# Altium PCB CH565W-R0.PcbDoc (part 2 of 5)
Units mil, origin at the board's own origin, x right, y up, seen from the top; angles counter-clockwise.
Board outline 3947.04 x 3947.04 mil, 4 copper layers (Top Layer, Layer 1, Layer 2, Bottom Layer), stack 23.756 mil thick; 204 components, 168 nets, 932 pads, 1005 vias.
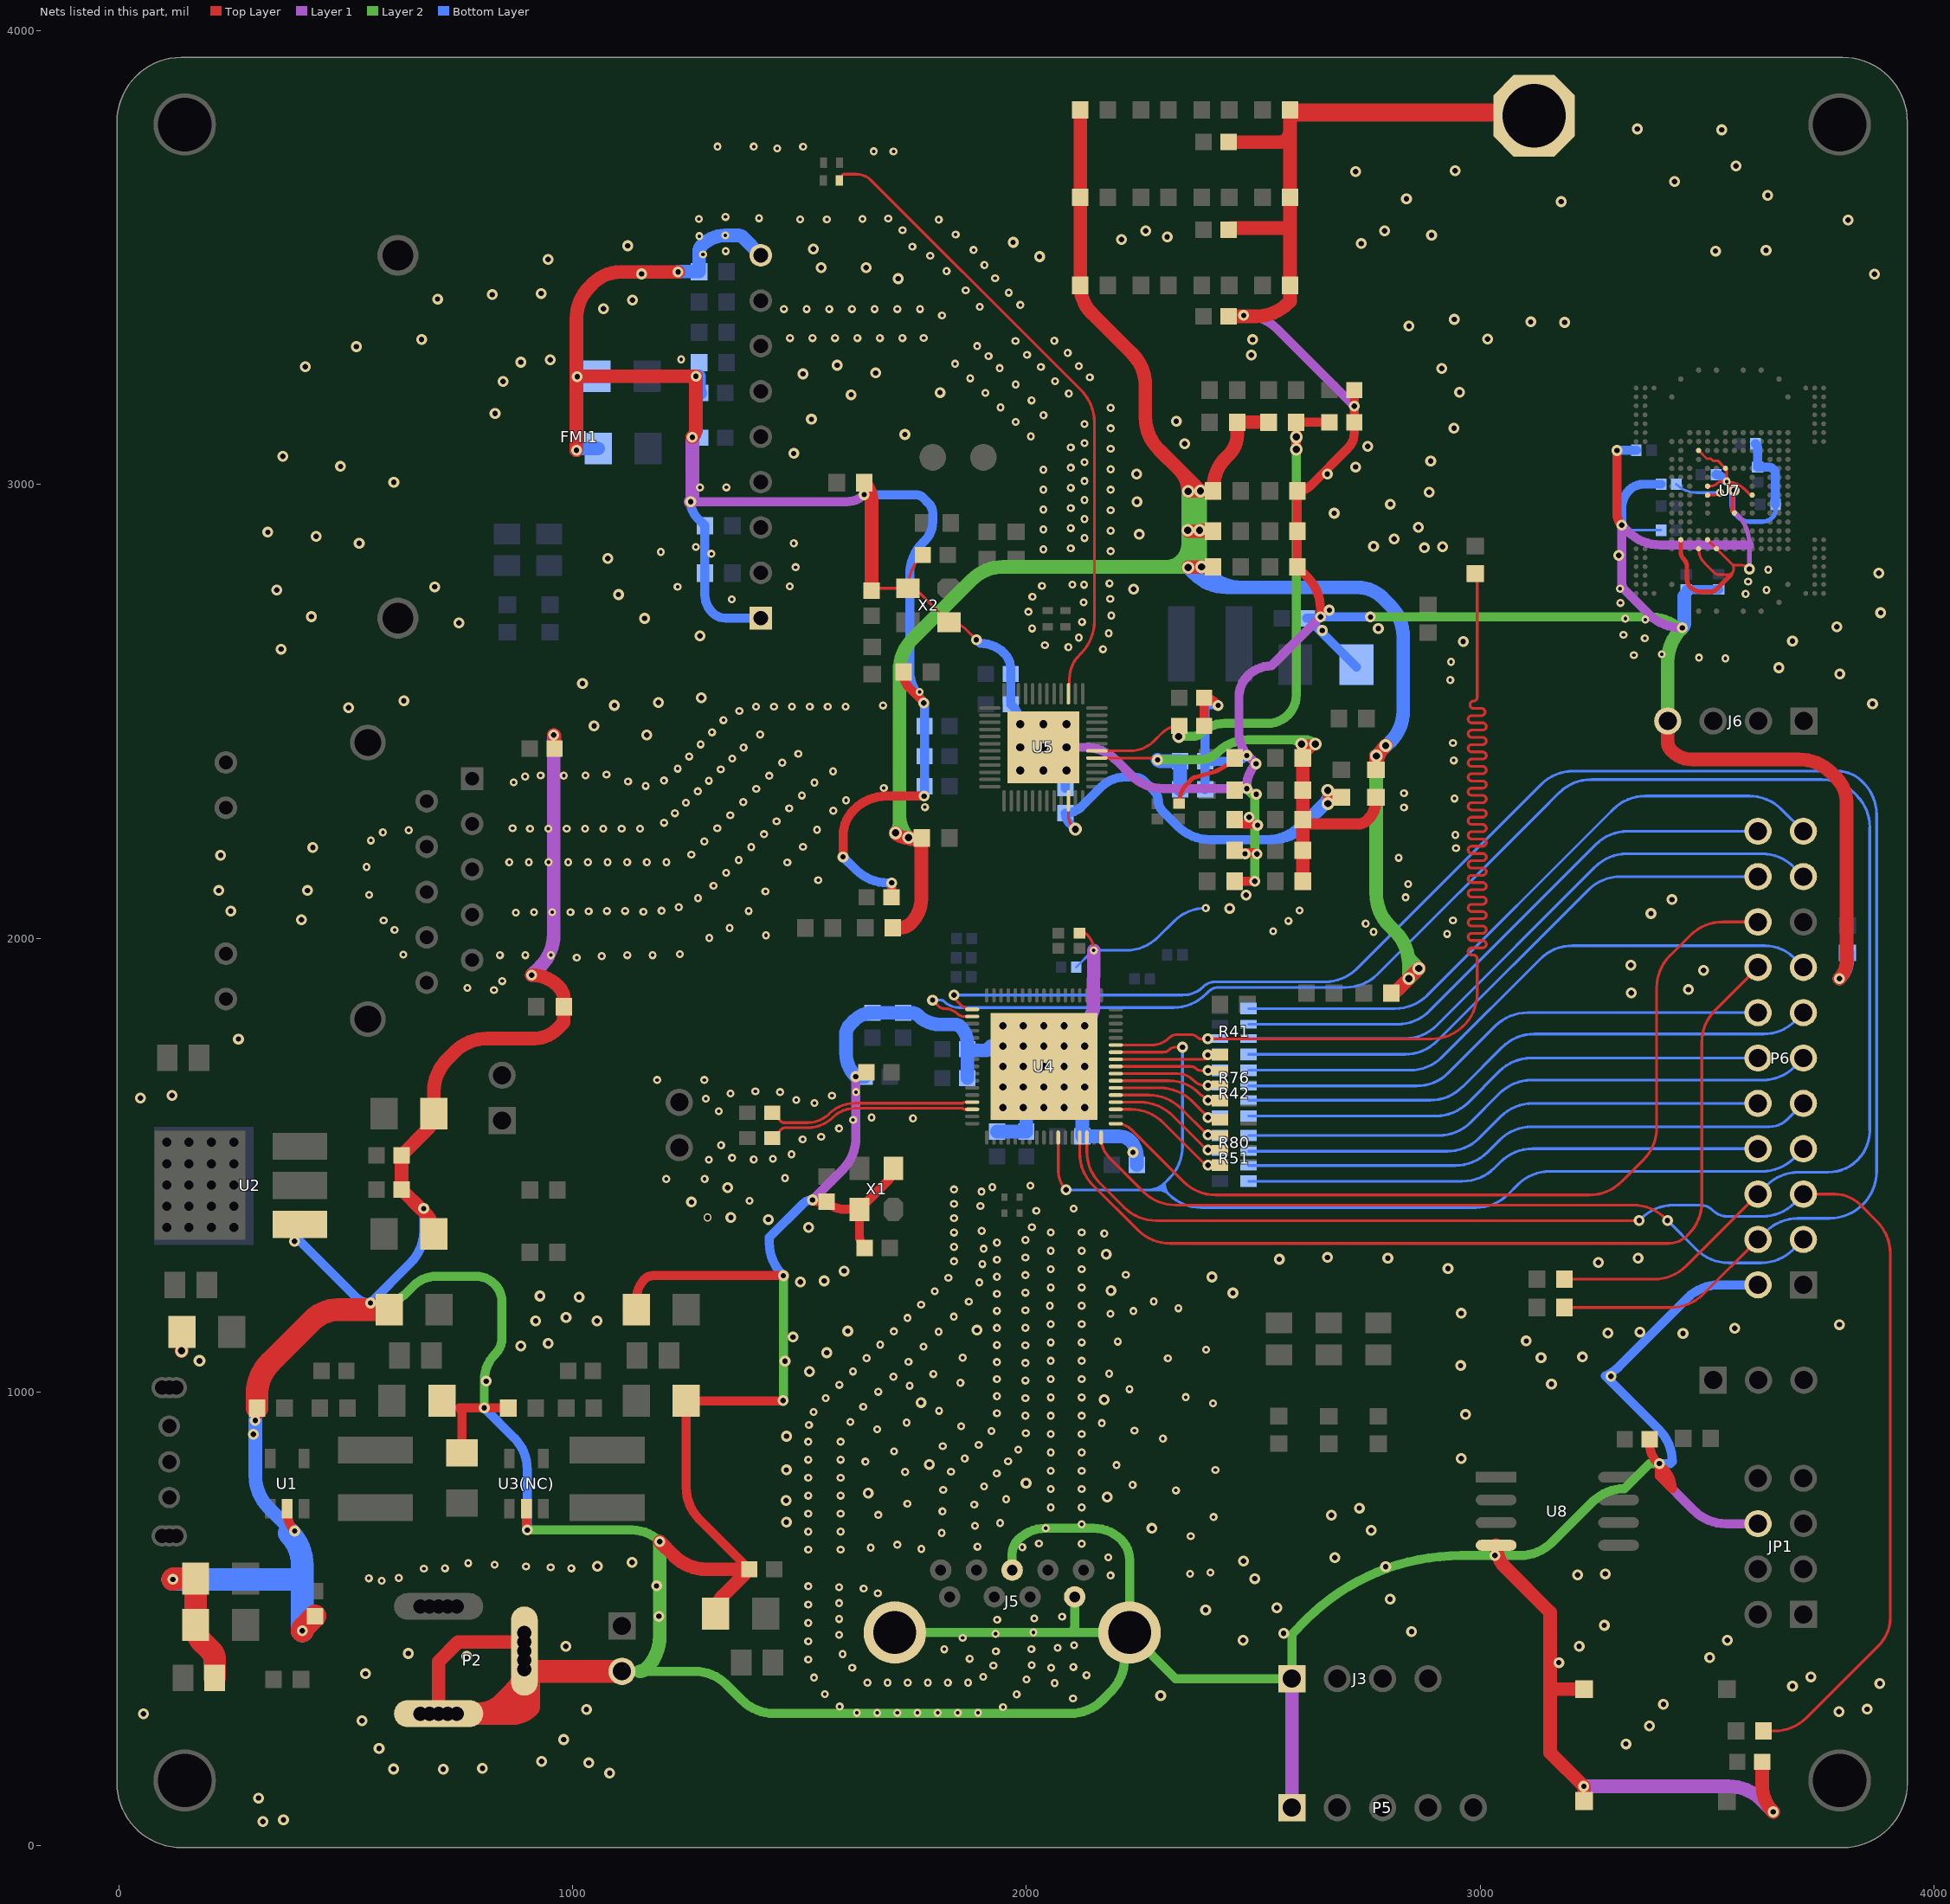
[diagram p4: the nets of this part, all layers, seen from the top]

## Via types
v1: diameter 17.72, hole 7.87, Top Layer to Bottom Layer, 556 vias
v2: diameter 24, hole 12, Top Layer to Bottom Layer, 366 vias
v3: diameter 28, hole 16, Top Layer to Bottom Layer, 63 vias
v4: diameter 17.72, hole 7.87, Top Layer to Bottom Layer, tented both sides, 8 vias
v5: diameter 24, hole 12, Top Layer to Bottom Layer, tented both sides, 5 vias
v6: diameter 26, hole 14, Top Layer to Bottom Layer, 2 vias
v7: diameter 19.68, hole 10, Top Layer to Bottom Layer, 1 vias
v8: diameter 20, hole 10, Top Layer to Bottom Layer, 1 vias
v9: diameter 28, hole 16, Top Layer to Bottom Layer, tented both sides, 1 vias
v10: diameter 32, hole 18, Top Layer to Bottom Layer, 1 vias
v11: diameter 17.72, hole 12, Top Layer to Bottom Layer, 1 vias

## Nets (pads, with @x,y where several pads share a name; then routed paths per layer and width w, separated by ;. In a path a pad name is that pad's centre, name@x,y a point inside that pad or via, vN(x,y) a via of type N, cw(c..) or ccw(c..) an arc to the next point about the centre after c; other vN are vias at no path point) (continued)
CMD_1: R41.6 R77.2 U4.29 | length 2954.6
  Top Layer w6: U4.29@2196.78,1764.37 2275.73,1764.37 ccw(c2275.73,1820.59) 2315.48,1780.83 ; 2315.5,1780.85 cw(c2331.46,1764.86) 2331.46,1787.45 2361.83,1787.45 cw(c2361.83,1765.31) 2377.49,1780.97 ccw(c2384.42,1787.9) 2384.42,1778.09 v2(2399.74,1778.09) 2893.6,1778.09 ccw(c2893.6,1878.09) 2993.6,1878.09 2993.6,1951.69 2993.6,1954.69 ccw(c2985.6,1954.69) 2985.6,1962.69 2981.6,1962.69 cw(c2981.6,1970.69) 2981.6,1978.69 3005.6,1978.69 ccw(c3005.6,1986.69) 3005.6,1994.69 2981.6,1994.69 cw(c2981.6,2002.69) 2981.6,2010.69 3005.6,2010.69 ccw(c3005.6,2018.69) 3005.6,2026.69 2981.6,2026.69 cw(c2981.6,2034.69) 2981.6,2042.69 3005.6,2042.69 ccw(c3005.6,2050.69) 3005.6,2058.69 2981.6,2058.69 cw(c2981.6,2066.69) 2981.6,2074.69 3005.6,2074.69 ccw(c3005.6,2082.69) 3005.6,2090.69 2981.6,2090.69 cw(c2981.6,2098.69) 2981.6,2106.69 3005.6,2106.69 ccw(c3005.6,2114.69) 3005.6,2122.69 2981.6,2122.69 cw(c2981.6,2130.69) 2981.6,2138.69 3005.6,2138.69 ccw(c3005.6,2146.69) 3005.6,2154.69 2981.6,2154.69 cw(c2981.6,2162.69) 2981.6,2170.69 3005.6,2170.69 ccw(c3005.6,2178.69) 3005.6,2186.69 2981.6,2186.69 cw(c2981.6,2194.69) 2981.6,2202.69 3005.6,2202.69 ccw(c3005.6,2210.69) 3005.6,2218.69 2981.6,2218.69 cw(c2981.6,2226.69) 2981.6,2234.69 3005.6,2234.69 ccw(c3005.6,2242.69) 3005.6,2250.69 2981.6,2250.69 cw(c2981.6,2258.69) 2981.6,2266.69 3005.6,2266.69 ccw(c3005.6,2274.69) 3005.6,2282.69 2981.6,2282.69 cw(c2981.6,2290.69) 2981.6,2298.69 3005.6,2298.69 ccw(c3005.6,2306.69) 3005.6,2314.69 2981.6,2314.69 cw(c2981.6,2322.69) 2981.6,2330.69 3005.6,2330.69 ccw(c3005.6,2338.69) 3005.6,2346.69 2981.6,2346.69 cw(c2981.6,2354.69) 2981.6,2362.69 3005.6,2362.69 ccw(c3005.6,2370.69) 3005.6,2378.69 2981.6,2378.69 cw(c2981.6,2386.69) 2981.6,2394.69 3005.6,2394.69 ccw(c3005.6,2402.69) 3005.6,2410.69 2981.6,2410.69 cw(c2981.6,2418.69) 2981.6,2426.69 3005.6,2426.69 ccw(c3005.6,2434.69) 3005.6,2442.69 2981.6,2442.69 cw(c2981.6,2450.69) 2981.6,2458.69 3005.6,2458.69 ccw(c3005.6,2466.69) 3005.6,2474.69 2981.6,2474.69 cw(c2981.6,2482.69) 2981.6,2490.69 3003,2490.69 ccw(c3003,2498.69) 3003,2506.69 2985.6,2506.69 cw(c2985.6,2514.69) 2985.6,2522.69 ccw(c2985.6,2530.69) 2993.6,2530.69 2993.6,2583.84 R77.2@2993.6,2803.67
  Bottom Layer w6: v2(2399.74,1778.09) cw(c2400.92,1776.92) 2400.92,1778.58 R41.6@2426.52,1778.58
CMD_2: R79.1 U7.R5 | length 130.2
  Top Layer w6: U7.R5@3501.47,2976.74 3515.72,2976.74 ccw(c3515.72,2995.22) v4(3528.79,2982.15)
  Bottom Layer w6: R79.1@3432.34,3000.83 ccw(c3477.44,3045.93) 3477.44,2982.15 v4(3528.79,2982.15)
DATA0: R41.5 R76.1 U4.27 | length 235.5
  Top Layer w6: U4.27@2196.78,1732.87 2390.04,1732.87 ccw(c2390.04,1742.61) v2(2399.78,1742.61) 2426.52,1742.61 R76.1@2426.52,1742.82
DATA1: R42.4 R76.2 U4.26 | length 205.7
  Top Layer w6: U4.26@2196.78,1717.12 2362.17,1717.12 cw(c2362.17,1699.04) 2374.96,1711.83 ccw(c2383.66,1720.52) 2383.66,1708.22 v2(2400.13,1708.22)
DATA2: R42.3 R76.3 U4.25 | length 210.8
  Top Layer w6: U4.25@2196.78,1701.37 2333.33,1701.37 cw(c2333.33,1653.71) 2367.03,1687.41 2367.21,1687.24 ccw(c2400.13,1720.16) v2@2400.13,1673.6
  other v2: 2400.13,1675.6
DATA3: R42.2 R76.4 U4.24 | length 241.4
  Top Layer w6: U4.24@2196.78,1685.63 2314.57,1685.63 cw(c2314.57,1592.62) 2380.34,1658.38 ccw(c2419.81,1697.85) 2419.81,1642.03 R76.4@2426.52,1642.03
  other v2: 2400.13,1642.97
DATA4: R42.1 R80.1 U4.23 | length 252.2
  Top Layer w6: U4.23@2196.78,1669.88 2294.3,1669.88 cw(c2294.3,1569.88) 2365.01,1640.59 2390.65,1614.95 ccw(c2426.52,1650.83) R80.1@2426.52,1600.1
  other v2: 2400.13,1604.35
DATA5: R51.4 R80.2 U4.22 | length 234.4
  Top Layer w6: U4.22@2196.78,1654.13 2269.88,1654.13 cw(c2269.88,1554.13) 2340.59,1624.84 v2@2399.07,1566.36
  other v2: 2400.13,1566.73
DATA6: R51.3 R80.3 U4.21 | length 267.4
  Top Layer w6: U4.21@2196.78,1638.38 2250.8,1638.38 cw(c2250.8,1538.38) 2321.51,1609.09 2387.57,1543.03 ccw(c2409.48,1564.94) 2409.48,1533.95 R80.3@2426.52,1533.95
  other v2: 2400.13,1533.1
DATA7: R51.2 R80.4 U4.20 | length 275.9
  Top Layer w6: U4.20@2196.78,1622.63 2230.76,1622.63 cw(c2230.76,1522.63) 2301.47,1593.34 2391.19,1503.62 ccw(c2399.07,1511.5) 2399.07,1500.36 ccw(c2401.61,1502.89) 2401.61,1499.31 R80.4@2426.52,1499.31
  other v2: 2400.13,1499.48
DP_CLK: P6.16 U4.14 | length 2123.8
  Top Layer w6.07: U4.14@2117.33,1560.34 2117.33,1526.1 ccw(c2217.33,1526.1) 2146.62,1455.39 2245.57,1356.45 ccw(c2316.28,1427.16) 2316.28,1327.16 3415.48,1327.16 ccw(c3415.48,1385.38) 3456.65,1344.21 3459.6,1347.16 ccw(c3389.29,1417.47) 3488.72,1417.47 3488.72,1770.43 cw(c3588.72,1770.43) 3518.01,1841.14 P6.16@3612.66,1935.79
DP_D0: P6.8 R51.8 | length 1144.2
  Bottom Layer w6.07: R51.8@2489.51,1464.19 2960.97,1464.19 ccw(c2960.97,1564.19) 3031.68,1493.48 3044.7,1506.5 cw(c3115.41,1435.79) 3115.41,1535.79 P6.8@3612.66,1535.79
DP_D1: P6.9 R51.7 | length 1268.8
  Bottom Layer w6.07: R51.7@2489.51,1498.84 2945.61,1498.84 ccw(c2945.61,1598.84) 3016.32,1528.13 3043.18,1554.99 cw(c3113.89,1484.28) 3113.89,1584.28 3637.83,1584.28 ccw(c3637.83,1640.61) 3677.65,1600.78 P6.9@3712.66,1635.79
DP_D2: P6.10 R51.6 | length 1158.2
  Bottom Layer w6.07: R51.6@2489.51,1530.33 2927.82,1530.33 ccw(c2927.82,1630.33) 2998.53,1559.62 3045.4,1606.5 cw(c3116.12,1535.79) 3116.12,1635.79 P6.10@3612.66,1635.79
DP_D3: P6.11 R51.5 | length 1281
  Bottom Layer w6.07: R51.5@2489.51,1564.98 2908.65,1564.98 ccw(c2908.65,1664.98) 2979.36,1594.27 3042.87,1657.78 cw(c3113.58,1587.06) 3113.58,1687.06 3622.52,1687.06 ccw(c3622.52,1787.06) 3693.23,1716.35 P6.11@3712.66,1735.79
DP_D4: P6.12 R42.8 | length 1167.5
  Bottom Layer w6.07: R42.8@2489.51,1608.03 2902.69,1608.03 ccw(c2902.69,1708.03) 2973.4,1637.32 3042.58,1706.5 cw(c3113.29,1635.79) 3113.29,1735.79 P6.12@3612.66,1735.79
DP_D5: P6.13 R42.7 | length 1290.4
  Bottom Layer w6.07: R42.7@2489.51,1642.68 2890.2,1642.68 ccw(c2890.2,1742.68) 2960.91,1671.96 3048.37,1759.43 cw(c3119.08,1688.71) 3119.08,1788.71 3625.78,1788.71 ccw(c3625.78,1884.82) 3693.74,1816.86 P6.13@3712.66,1835.79
DP_D6: P6.14 R42.6 | length 1181.5
  Bottom Layer w6.07: R42.6@2489.51,1674.17 2860.13,1674.17 ccw(c2860.13,1774.17) 2930.84,1703.46 3033.87,1806.5 cw(c3104.58,1735.79) 3104.58,1835.79 P6.14@3612.66,1835.79
DP_D7: P6.15 R42.5 | length 1344.2
  Bottom Layer w6.07: R42.5@2489.51,1708.82 2845.71,1708.82 ccw(c2845.71,1808.82) 2916.42,1738.11 3132.47,1954.16 cw(c3203.18,1883.45) 3203.18,1983.45 3628.41,1983.45 cw(c3628.41,1895.11) 3690.88,1957.57 P6.15@3712.66,1935.79
DP_D8: P6.20 R41.4 | length 1276.9
  Bottom Layer w6.07: R41.4@2489.51,1743.93 2834.65,1743.93 ccw(c2834.65,1843.93) 2905.36,1773.22 3238.64,2106.5 cw(c3309.35,2035.79) 3309.35,2135.79 P6.20@3612.66,2135.79
DP_D9: P6.19 R41.3 | length 1400
  Bottom Layer w6.07: R41.3@2489.51,1778.58 2833.7,1778.58 ccw(c2833.7,1878.58) 2904.41,1807.87 3253.47,2156.93 cw(c3324.18,2086.22) 3324.18,2186.22 3620.81,2186.22 cw(c3620.81,2086.22) 3691.52,2156.93 P6.19@3712.66,2135.79
DP_D10: P6.22 R41.2 | length 1290.9
  Bottom Layer w6.07: R41.2@2489.51,1810.08 2817.37,1810.08 ccw(c2817.37,1910.08) 2888.08,1839.37 3255.21,2206.5 cw(c3325.92,2135.79) 3325.92,2235.79 P6.22@3612.66,2235.79
DP_D11: P6.21 R41.1 | length 1436.5
  Bottom Layer w6.07: R41.1@2489.51,1844.72 2812.59,1844.72 ccw(c2812.59,1944.72) 2883.3,1874.01 3282.19,2272.91 3293.33,2284.04 cw(c3364.04,2213.33) 3364.04,2313.33 3593.7,2313.33 cw(c3593.7,2213.33) 3664.41,2284.04 P6.21@3712.66,2235.79
DP_HREF: P6.5 R27.1 U4.15 | length 3176.3
  Top Layer w6.07: U4.15@2133.08,1560.34 2133.08,1529.93 ccw(c2233.08,1529.93) 2162.37,1459.21 2214.95,1406.63 ccw(c2285.66,1477.34) 2285.66,1377.34 v2(3350.77,1377.34) ; R27.1@3624.9,252.09 3648.7,252.09 ccw(c3648.7,352.09) 3719.41,281.37 3878.66,440.63 ccw(c3816.73,502.56) 3904.31,502.56 3904.31,1304.48 ccw(c3804.31,1304.48) 3875.02,1375.19 3837.65,1412.57 ccw(c3781.59,1356.5) 3781.59,1435.79 P6.5@3718.64,1435.79
  Bottom Layer w6.07: v2(3350.77,1377.34) 3355.64,1382.21 cw(c3426.35,1311.5) 3426.35,1411.5 3485.15,1411.5 cw(c3485.15,1372) 3513.08,1399.93 ccw(c3545.42,1432.27) 3545.42,1386.53 3621.99,1386.53 ccw(c3621.99,1486.53) 3692.7,1415.82 P6.5@3712.66,1435.79
DP_PWDN: P6.18 U4.18 | length 1936.4
  Top Layer w6.07: U4.18@2196.78,1591.14 2199.66,1591.14 cw(c2199.66,1546.52) 2231.21,1578.07 2346.1,1463.18 ccw(c2416.81,1533.9) 2416.81,1433.9 3241.27,1433.9 ccw(c3241.27,1533.9) 3311.99,1463.18 3360.01,1511.21 ccw(c3289.3,1581.92) 3389.3,1581.92 3389.3,1890.85 cw(c3489.3,1890.85) 3418.59,1961.56 3463.53,2006.5 cw(c3534.24,1935.79) 3534.24,2035.79 P6.18@3612.66,2035.79
DP_RESET: P6.7 U4.11 U4.28 | length 2382.8
  Top Layer w6: U4.11@2070.09,1560.34 2070.09,1486.96 ccw(c2129.33,1486.96) v2(2087.44,1445.06) ; U4.28@2196.78,1748.62 2301.85,1748.62 ccw(c2301.85,1767.37) 2315.11,1754.11 cw(c2328.37,1740.85) 2328.37,1759.6 v2(2343.86,1759.6)
  Bottom Layer w6: v2(2087.44,1445.06) 2268.26,1445.06 ; 2295.79,1446.3 2299.31,1449.83 ; 2303.99,1453.09 ccw(c2303.99,1449.66) 2301.57,1452.08 2299.31,1449.83 ; 2313.86,1435.28 ccw(c2384.57,1505.99) 2384.57,1405.99 2991.19,1405.99 ccw(c2991.19,1505.99) 3061.9,1435.28 3083.28,1456.66 cw(c3153.99,1385.95) 3153.99,1485.95 3621.4,1485.95 ccw(c3621.4,1585.95) 3692.11,1515.24 P6.7@3712.66,1535.79 ; v2(2343.86,1759.6) 2343.86,1540.73 cw(c2243.86,1540.73) 2314.57,1470.02 2304.72,1460.17 ; 2268.26,1445.06 ccw(c2268.26,1496.63) 2295.99,1453.15 ; 2268.26,1445.06 2290.24,1445.06 ; 2290.24,1445.06 cw(c2291.75,1445.06) 2290.68,1446.13 2296.85,1452.29 ; 2290.24,1445.06 cw(c2290.24,1411.67) 2313.85,1435.29 ; 2295.99,1453.15 ccw(c2268.26,1496.63) 2304.72,1460.17 ; 2295.99,1453.15 2296.85,1452.29 ; 2296.85,1452.29 2304.72,1460.17 ; 2296.85,1452.29 2299.31,1449.83 ; 2299.31,1449.83 2313.85,1435.29 ; 2304.72,1460.17 2304.72,1457.34 ccw(c2335.91,1457.34) 2313.85,1435.29
DP_SCL: P6.4 R65.1 U4.52 | length 3946.9
  Top Layer w6.07: v2@1834.14,1873.51 1853.32,1854.33 ccw(c1880.41,1881.43) U4.52@1880.41,1843.11 ; R65.1@3184.61,1185.93 3421.39,1185.93 ccw(c3421.39,1285.93) 3492.1,1215.22 P6.4@3612.66,1335.79
  Bottom Layer w6.07: v2(1840.14,1874.51) 2344.63,1874.51 ccw(c2344.63,1939.35) 2362.64,1877.06 ccw(c2344.63,1939.35) 2376.51,1882.88 ccw(c2344.63,1939.35) 2390.48,1893.5 cw(c2415.41,1868.57) 2415.41,1903.82 2657.99,1903.82 ccw(c2657.99,2003.82) 2728.7,1933.11 3090.62,2295.03 3134.64,2339.06 cw(c3205.35,2268.35) 3205.35,2368.35 3787.69,2368.35 cw(c3787.69,2291.49) 3842.04,2345.84 3844.77,2343.11 cw(c3774.06,2272.4) 3874.06,2272.4 3874.06,2228.03 3874.06,1486.1 cw(c3770.2,1486.1) 3770.2,1382.24 3700.54,1382.24 ccw(c3700.54,1282.24) 3629.83,1352.96 P6.4@3612.66,1335.79
DP_SDA: P6.6 R64.1 U4.53 | length 3909.3
  Top Layer w6.07: v2(1792.99,1863.44) 1806.45,1849.97 ccw(c1819.12,1862.64) 1819.12,1844.73 cw(c1819.12,1801.49) 1849.69,1832.07 ccw(c1861.05,1843.43) 1861.05,1827.36 U4.53@1880.41,1827.36 ; R64.1@3182.86,1248.07 3383.52,1248.07 ccw(c3383.52,1348.07) 3454.23,1277.36 P6.6@3612.66,1435.79
  Bottom Layer w6.07: v2(1792.99,1863.44) 1811.08,1863.44 cw(c1811.08,1852.38) 1818.89,1860.2 ccw(c1850.61,1891.92) 1850.61,1847.06 2324.48,1847.06 ccw(c2324.48,1947.06) 2395.19,1876.35 2400.98,1882.14 cw(c2423.81,1859.31) 2423.81,1891.6 2703.84,1891.6 ccw(c2703.84,1991.6) 2774.55,1920.88 3132.01,2278.35 3174.22,2320.55 cw(c3244.93,2249.84) 3244.93,2349.84 3753.73,2349.84 cw(c3753.73,2249.84) 3824.44,2320.55 3829.84,2315.15 cw(c3759.13,2244.44) 3859.13,2244.44 3859.13,2207.64 3859.13,1575.61 cw(c3767.56,1575.61) 3767.56,1484.05 3702.34,1484.05 ccw(c3702.34,1384.05) 3631.63,1454.76 P6.6@3612.66,1435.79
DP_SYNC: P6.3 U4.17 | length 1679.2
  Top Layer w6.07: U4.17@2164.58,1560.34 ccw(c2227.67,1560.34) 2183.06,1515.73 2257.9,1440.89 ccw(c2328.61,1511.6) 2328.61,1411.6 3337.44,1411.6 cw(c3337.44,1311.6) 3408.15,1382.31 v2(3413.12,1377.34)
  Bottom Layer w6.07: v2(3413.12,1377.34) 3476.94,1313.52 ccw(c3547.65,1384.23) 3547.65,1284.23 3619.68,1284.23 ccw(c3619.68,1384.23) 3690.39,1313.52 P6.3@3712.66,1335.79
DVDD10: C52.2 R56.2 U5.22 | length 1201.1
  Top Layer w6: U5.22@2092.35,2302.68 2092.35,2272.72 ccw(c2138.17,2272.72) v3@2105.77,2240.32
  Top Layer w20: v3(2663.95,2325.72) 2663.95,2297.9 ccw(c2665.54,2297.9) v3(2664.42,2296.78) ; 2665.42,2310.78 2665.59,2310.61 R56.2@2694.06,2310.61
  Bottom Layer w20: v3(2107.77,2240.32) 2094.9,2253.2 cw(c2117.29,2275.59) C52.2@2085.63,2275.59 ccw(c2085.63,2327.11) 2122.06,2290.68 2164.91,2333.53 cw(c2217.16,2281.29) 2217.16,2355.17 2237.13,2355.17 cw(c2237.13,2322.58) 2260.18,2345.63 2282.04,2323.77 cw(c2263.77,2305.51) 2289.6,2305.51 ccw(c2325.58,2305.51) 2300.12,2280.08 2333.6,2246.61 ccw(c2404.31,2317.32) 2404.31,2217.32 2530.53,2217.32 ; 2530.53,2217.32 ccw(c2530.53,2317.32) 2601.24,2246.61 ; 2530.53,2217.32 ccw(c2530.53,2317.32) 2601.24,2246.61 ; 2530.53,2217.32 2543.53,2217.32 ccw(c2543.53,2317.32) 2614.24,2246.61 v3(2664.42,2296.78) ; 2601.24,2246.61 v3@2652.36,2297.72 ; v3@2652.36,2297.72 ccw(c2624.36,2325.72) v3@2663.95,2325.72 ; v3@2652.36,2297.72 v3@2663.95,2309.32 ; v3@2663.95,2309.32 v3(2663.95,2325.72) ; v3@2663.95,2309.32 2663.95,2297.9 ccw(c2665.54,2297.9) v3(2664.42,2296.78) ; v3@2663.95,2309.32 v3@2664.42,2309.78 ; v3@2663.95,2325.72 cw(c2662.83,2324.6) 2664.42,2324.6 v3@2664.42,2309.78 ; v3(2664.42,2296.78) v3@2664.42,2309.78
DVDD33: R17.2 R18.1 R28.1 R35.2 R37.1 R39.1 R43.2 R53.1 R57.1 R63.2 R66.1 R70.1 | length 5174
  Top Layer w30: R43.2@1705.4,2023.17 1721.35,2023.17 ccw(c1721.35,2057.54) 1745.65,2033.23 ccw(c1691.21,2087.68) 1768.21,2087.68 1768.21,2217.84 1749.32,2217.84 cw(c1749.32,2231.33) v3@1740.88,2220.81 ; v3(1711.3,2232) ccw(c1738.32,2259.02) 1738.32,2220.81 v3@1740.88,2220.81 ; v3(1739.79,2221.79) ccw(c1749.32,2231.33) v3@1740.88,2220.81 ; R53.1@1769.44,2220.81 v3@1740.88,2220.81 ; R66.1@2118.6,3823.63 R57.1@2118.6,3633.33 R70.1@2118.6,3439.1 ccw(c2205.54,3439.1) 2144.06,3377.62 2232.9,3288.78 cw(c2162.19,3218.07) 2262.19,3218.07 2262.19,3148.47 ccw(c2362.19,3148.47) 2291.48,3077.76 2336.65,3032.6 ; v3(2356.23,2817.13) cw(c2359.28,2814.07) 2359.28,2818.39 v3@2386.09,2818.39 ; v3@2356.23,2897.13 R37.1@2411.47,2897.13 ccw(c2406.24,2891.9) 2406.24,2899.3 v3(2381.77,2899.3) ; v3(2385.96,2818.51) v3@2386.09,2818.39 ; R28.1@2411.47,2818.39 v3@2386.09,2818.39 ; R18.1@2533.95,3137.48 R17.2@2464.53,3137.48 2464.53,3108.65 cw(c2405.98,3108.65) 2447.39,3067.26 2440.76,3060.63 ccw(c2511.47,2989.92) 2411.47,2989.92 R39.1@2411.47,2985.87 v3@2383.72,2985.87 ; R63.2@2770.33,2371.24 R63.2@2770.33,2372.53 ; v3(2771.11,2401.8) ccw(c2773.01,2399.9) 2770.33,2399.9 R63.2@2770.33,2372.53 ; v3(2791.87,2424.54) ccw(c2843.89,2372.53) R63.2@2770.33,2372.53 ; v3(2842.78,1910.56) 2816.38,1884.17 cw(c2804.2,1896.36) R35.2@2804.2,1879.13 ccw(c2804.2,1895.41) 2815.71,1883.9 v3(2865.11,1933.29) ; 2336.65,3032.6 cw(c2289.38,2985.32) v3(2356.23,2985.32) cw(c2357.55,2984.01) 2357.55,2985.87 v3@2383.38,2985.87 ; 2336.65,3032.6 v3@2383.38,2985.87 ; v3@2383.38,2985.87 v3(2383.55,2985.7) v3@2383.72,2985.87 ; v3@2383.38,2985.87 v3@2383.72,2985.87
  Layer 2 w30: v3(2385.96,2818.51) v3@2382.96,2818.51 ; v3(2771.11,2401.8) 2771.11,2097.77 ccw(c2871.11,2097.77) 2800.4,2027.06 2813.49,2013.97 cw(c2742.78,1943.26) 2841.52,1959.04 ; 2839.87,1967.17 ccw(c2860.75,1967.17) 2841.52,1959.04 ; 1720.15,2269.2 ccw(c1787.2,2269.2) v3@1739.74,2221.84 ; 1720.15,2269.2 1720.15,2589.43 cw(c1820.15,2589.43) 1749.44,2660.14 1878.52,2789.22 cw(c1949.23,2718.51) 1949.23,2818.51 2306.75,2818.51 ; 1720.15,2269.2 1720.15,2253.37 cw(c1689.93,2253.37) v3(1711.3,2232) 1715.14,2232 cw(c1715.14,2197.14) v3@1739.74,2221.84 ; v3@1739.74,2221.84 ccw(c1787.2,2269.2) v3(1739.79,2221.79) ccw(c1715.14,2197.14) v3@1739.74,2221.84 ; 2306.75,2818.51 ccw(c2306.75,2868) 2356.23,2868 ; 2306.75,2818.51 v3@2356.23,2818.51 ; v3@2356.23,2818.51 2356.23,2868 ; v3@2356.23,2818.51 v3@2382.96,2818.51 ; 2356.23,2868 v3(2356.23,2985.32) 2377.51,2985.32 cw(c2377.51,2979.87) 2382.96,2979.87 v3@2382.96,2818.51 ; 2841.52,1959.04 cw(c2742.78,1943.26) 2842.78,1943.26 v3(2842.78,1910.56) 2865.11,1932.9 v3(2865.11,1933.29) 2845.99,1952.41 cw(c2860.75,1967.17) 2841.52,1959.04
  Bottom Layer w30: v3(2771.11,2401.8) 2802.4,2433.09 ccw(c2734.82,2500.67) 2830.39,2500.67 2830.39,2664.08 ccw(c2730.39,2664.08) 2801.1,2734.79 2786.27,2749.63 ccw(c2728.62,2691.99) 2728.62,2773.51 2472.39,2773.51 ; 2472.39,2773.51 cw(c2472.39,2873.51) 2401.68,2802.8 v3(2385.96,2818.51) 2359.58,2818.51 ccw(c2359.58,2813.78) v3(2356.23,2817.13) 2370.56,2802.8 ccw(c2441.27,2873.51) 2441.27,2773.51 2472.39,2773.51
  other v3: 2355.23,2899.13
DVDDLDO: C24.2 C25.2 R18.2 U5.30 | length 1235.8
  Top Layer w6: U5.30@2155.35,2412.92 2228.4,2412.92 ccw(c2228.4,2487.44) 2281.09,2434.75 2298.54,2452.2 cw(c2336.58,2414.16) C24.2@2336.58,2467.96
  Top Layer w20: v3(2594.92,3104.97) 2594.58,3105.31 R18.2@2594.58,3137.48 ; v3(2594.98,3077.36) 2594.98,3136.53 ccw(c2593.63,3136.53) R18.2@2594.58,3137.48 ; C25.2@2667.62,3137.48 R18.2@2594.58,3137.48
  Layer 2 w20: v3(2335.71,2444.71) 2368.06,2444.71 ccw(c2368.06,2463.26) 2381.18,2450.14 cw(c2437.35,2393.97) 2437.35,2473.41 2531.74,2473.41 ccw(c2531.74,2536.6) 2594.92,2536.6 v3(2594.92,3104.97)
DVDDREG: C55.2 C56.2 R30.1 R32.1 R45.1 R47.1 R49.1 R63.1 U5.29 | length 1190.3
  Top Layer w6: U5.29@2155.35,2397.17 2279.37,2397.17 cw(c2279.37,2383.51) v2(2289.04,2393.17)
  Top Layer w20: v3(2606.08,2427.9) 2606.24,2428.05 v3(2636.78,2428.05) 2611.27,2402.54 ccw(c2616.22,2397.59) R30.1@2609.22,2397.59
  Top Layer w25: R45.1@2609.22,2251.58 2729.73,2251.58 ccw(c2729.73,2283.39) 2752.23,2260.89 ccw(c2708.54,2304.59) 2770.33,2304.59 R63.1@2770.33,2310.61
  Top Layer w30: R49.1@2609.22,2125.57 2609.22,2251.58 R45.1@2609.22,2261.58 R32.1@2609.22,2326.58 2609.22,2377.59
  Layer 2 w20: v2(2289.04,2393.17) 2381.38,2393.17 ccw(c2381.38,2450.28) 2421.77,2409.9 cw(c2488.31,2343.36) 2488.31,2437.46 2582.99,2437.46 ; 2582.99,2437.46 cw(c2582.99,2404.81) v3(2606.08,2427.9) 2606.24,2428.05 v3(2636.78,2428.05) ccw(c2614.07,2405.34) 2614.07,2437.46 2582.99,2437.46
  Bottom Layer w30: v2(2289.04,2393.17) ccw(c2296.38,2400.51) 2296.38,2390.13 C55.2@2338.75,2390.13 C56.2@2338.75,2328.02
EX_n: C73.1 U4.65 | length 461.6
  Top Layer w6.07: C73.1@1439.59,1615.2 1458.68,1596.12 ccw(c1465.75,1603.2) 1465.75,1593.19 1517.84,1593.19 ccw(c1517.84,1659.82) 1564.96,1612.71 1565.06,1612.81 cw(c1621.14,1556.73) 1621.14,1636.04 1859.25,1636.04 cw(c1864.9,1630.39) 1864.9,1638.38 U4.65@1880.41,1638.38
EX_p: C74.1 U4.66 | length 461.8
  Top Layer w6.07: C74.1@1439.59,1559.12 1458.59,1578.12 cw(c1468.25,1568.47) 1468.25,1582.12 1517.88,1582.12 ccw(c1517.88,1659.72) 1572.75,1604.85 ; 1572.78,1604.88 cw(c1621.29,1556.37) 1621.29,1624.97 1859.25,1624.97 ccw(c1864.9,1630.62) 1864.9,1622.63 U4.66@1880.41,1622.63
GND: C1.1 C2.1 C3.1 C5.1 C6.1 C7.1 C8.1 C9.1 C10.1 C11.1 C13.1 C14.1 C15.1 C16.1 C17.1 C18.1 C19.2 C20.2 C21.2 C22.2 C23.2 C24.1 C25.1 C26.1 C27.2 C32.2 C33.2 C34.2 C35.1 C36.1 C37.1 C38.1 C39.1 C40.2 C41.1 C42.1 C43.1 C44.1 C45.1 C46.1 C47.2 C48.1 C49.1 C50.1 C51.1 C52.1 C53.2 C54.2 C55.1 C56.1 C57.1 C58.2 C59.1 C60.2 C61.2 C62.2 C63.2 C64.2 C65.1 C66.2 C67.2 C68.2 C69.2 C70.2 C75.1 D1.2 FMI1.1 FMI1.9 J3.1 J5.0 J5.4 J5.7 J6.4 JP1.6 P2.2 P2.3 P4.2 P5.1 P6.2 pad.@3119.01,3813.24 R3.1 R5.1 R6.2 R7.2 R14.2 R19.1 R23.1 R24.1 R29.2 R31.2 R33.2 R38.2 R40.2 R46.2 R48.2 R50.2 R55.2 R61.2 R69.2 R73.2 R79.2 R88.1 S1.2 S2.1 U1.2 U2.1 U3(NC).2 U4.0 U5.49 U7.AA4 U7.AA6 U7.K4 U7.M7 U7.P5 U7.R10 U7.U8 U7.Y2 U7.Y5 U8.4 X1.2 X1.4 X2.2 X2.4 | length 30073.7
  Top Layer w6: C57.1@1658.43,2766.06 cw(c1671.24,2753.25) 1671.24,2771.36 X2.2@1738.73,2771.36 ; C59.1@1767.5,2840.83 ccw(c1837.01,2771.36) X2.2@1738.73,2771.36 ; C59.1@1767.52,2840.85 C59.1@1771.58,2844.91 ; v2(1889.54,2657.88) 1866.12,2681.3 ccw(c1829.29,2644.47) X2.4@1829.29,2696.56 1765.62,2760.23 ccw(c1738.73,2733.34) X2.2@1738.73,2771.36 ; C27.2@2120.59,2017.59 2128.84,2012.55 2134.13,2007.26 cw(c2099.99,1973.12) v1(2148.27,1973.12) ; U7.AA4@3481.78,2858.63 ccw(c3527.17,2858.63) 3495.07,2826.53 3515.89,2805.72 ccw(c3526.21,2816.06) 3526.21,2801.45 3553.28,2801.45 ccw(c3539.21,2815.52) 3559.1,2815.52 3559.1,2818.04 ccw(c3552.73,2818.04) 3557.24,2822.54 ; U7.K4@3481.78,3075.16 3499.87,3057.07 3508.54,3057.07 3513.02,3052.59 3524.04,3052.59 U7.M7@3540.84,3035.79 cw(c3533.73,3028.68) 3543.78,3028.68 v4(3543.78,3006.83) ; U7.Y5@3501.47,2878.31 U7.AA6@3521.15,2858.63 3557.24,2822.54 ; U7.P5@3501.47,2996.42 3507.48,2996.42 ccw(c3507.48,3018.47) 3523.07,3002.88 cw(c3532.61,2993.34) 3532.61,3006.83 3540.67,3006.83 cw(c3540.67,2945.26) 3543.86,3006.75 cw(c3540.67,2945.26) 3584.2,2988.8 3593.7,2979.3 ccw(c3599.89,2985.49) U7.R10@3599.89,2976.74 ; v2(3593.91,2813.9) ccw(c3573.06,2793.06) 3573.06,2822.54 3557.24,2822.54